# Allegro board FEE5_10_30.brd (continued)
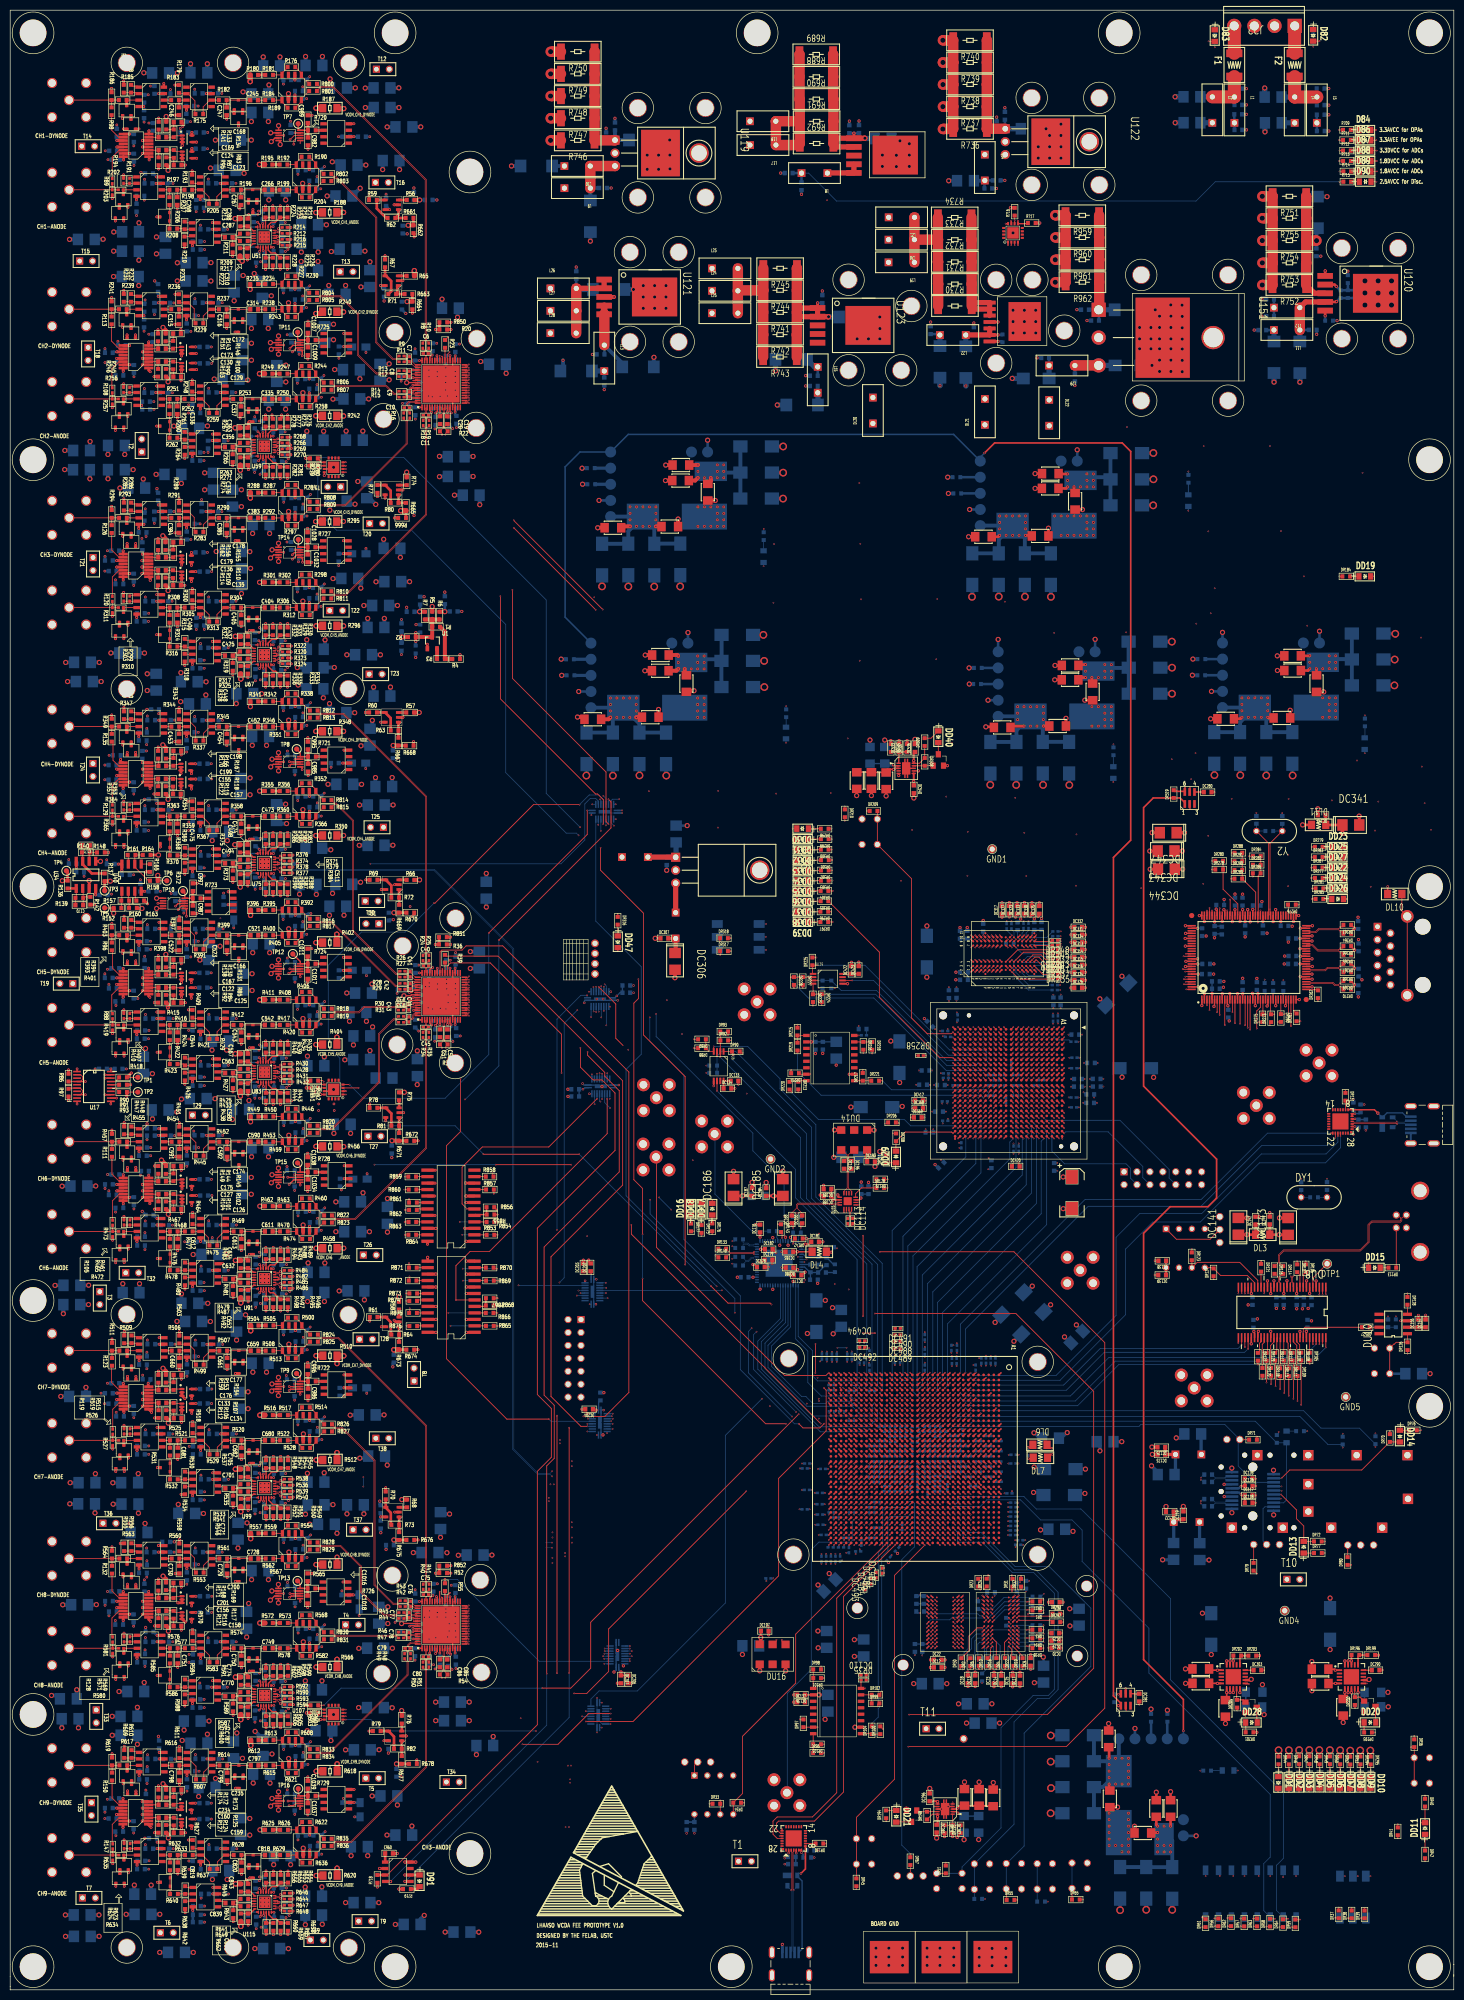
[diagram p0: board, top side]
## Copper pours and planes (outline as drawn; the poured copper is in the pictures) (continued)
VCC3V3 on BOTTOM (solid shape): 127.48,286.74 121.13,286.74 121.13,291.82 127.48,291.82
VCC3V3 on P1: 102.74,0.06 102.74,308.72 283.52,308.72 283.52,235.93 211.26,235.93 211.26,239.21 173.74,239.21 173.74,201.54 190.55,184.73 190.55,182.74 193.48,179.81 199.91,179.81 202.95,182.85 211.26,182.85 211.26,187.18 283.52,187.18 283.52,157.78 246.36,157.78 246.36,139.68 248.52,137.52 248.52,134.02 254.56,134.02 254.56,143.31 283.52,143.31 283.52,108.19 231.75,108.19 231.75,82.92 227.47,82.92 213.06,97.33 213.06,110.66 189.03,110.66 186.29,107.92 186.29,80.08 175.28,69.07 175.28,43.62 187.09,31.81 203.04,31.81 213.15,41.92 213.15,58.85 239.49,58.85 243.05,62.4 243.05,82.14 249.72,88.81 283.52,88.81 283.52,0.06
VIN5 on BOTTOM (solid shape): 136.95,258.74 130.6,258.74 130.6,262.55 136.95,262.55
VIN5 on BOTTOM (solid shape): 140.81,296.27 134.46,296.27 134.46,300.08 140.81,300.08
VIN5 on BOTTOM (solid shape): 213.42,294.49 207.07,294.49 207.07,298.3 213.42,298.3
VIN5 on BOTTOM (solid shape): 216.94,257.04 210.59,257.04 210.59,260.85 216.94,260.85
VIN5 on BOTTOM (solid shape): 228.57,26.43 224.76,26.43 224.76,32.78 228.57,32.78
VIN5 on BOTTOM (solid shape): 261.01,258.77 254.66,258.77 254.66,262.58 261.01,262.58
VIN5 on S3: 102.74,308.72 102.74,215.32 280.59,215.32 280.59,308.72
VIN5 on P2: 248.13,308.72 248.13,254.17 259.9,242.41 259.9,126.63 247.84,114.58 247.84,46.56 237.6,36.31 222.62,36.31 216.42,30.12 216.42,0.06 283.52,0.06 283.52,308.72
1.8AVCC on P2: 65.18,346.68 100.04,346.68 100.04,320.14 101.01,319.17 156.45,319.17 165.37,310.25 99.87,310.25 99.87,0.06 65.18,0.06
1.8DVCC on P1: 163.99,338.29 163.99,310.61 100.13,310.61 100.13,0.06 82.35,0.06 82.35,35.6 77.56,40.39 77.56,89.88 80.97,93.29 80.97,280.55 79.11,282.41 79.11,338.29
2.5AVCC on P2: 167.68,388.66 167.68,348.71 63.12,348.71 63.12,348.71 63.12,0.06 0.07,0.06 0.07,388.66
2.5DVCC_ADC on P2: 169.72,388.66 283.52,388.66 283.52,321.63 178.23,321.63 167.48,332.38 129.74,332.38 125.93,328.57 102.07,328.57 102.07,346.68 169.72,346.68 169.72,346.68
2.5DVCC_DIM on P2: 244.26,310.7 244.26,319.53 244.22,319.57 176.58,319.57 163.83,330.85 130.65,330.85 127.05,327.25 102.15,327.25 102.15,321.49 103.39,321.48 160.16,321.84 160.98,321.84 170.03,310.7 170.24,310.7
3.3AVCC on P1: 0.07,388.66 96.9,388.66 96.9,359.85 135.51,359.85 139.41,363.74 163.99,363.74 163.99,340.32 77.05,340.32 77.02,340.35 77.02,281.35 78.78,279.59 78.78,94.04 75.48,90.74 75.48,39.3 80.32,34.47 80.32,0.06 0.06,0.06 0.07,13.16
3.3AVEE on P3: 283.52,310.62 208.66,310.62 208.66,310.62 208.66,359.11 208.62,359.15 182.06,359.15 165.27,342.36 165.27,342.36 79.09,342.36 79.09,114.79 79.1,114.78 100.59,114.78 100.59,0.06 0.06,0.06 0.07,388.66 283.52,388.66
3.3DVCC_ADC on P3: 206.63,357.08 206.63,311.32 100.5,311.32 100.5,116.98 81.19,116.98 81.19,340.25 166.18,340.25 183,357.08
3.3DVCC_DIM on P1: 166.05,344.57 166.05,310.61 188.13,310.61 188.13,344.57
5AVCC_IN on P1: 243.01,388.66 243.01,360.94 239.37,357.29 239.33,357.29 239.3,357.26 239.3,310.66 189.79,310.66 189.78,310.67 189.78,346.28 166.03,346.28 166.02,346.29 166.02,364.81 165.62,365.21 138.19,365.21 134.84,361.86 99.39,361.86 99.39,388.66
5AVEE_IN on P1: 244.86,388.66 283.52,388.66 283.52,310.76 241.76,310.76 241.76,356.62 244.86,359.72
MGTAVCC on P3: 206.66,62.02 283.52,62.02 283.52,109.71 188.05,109.71 186.94,108.6 186.94,98.84 196.67,98.84 198.46,97.05 198.46,92.21 198.47,92.21 199.87,90.81 199.87,90.82 206.66,90.82
MGTAVTT on P1: 187.67,108.05 187.67,80.39 202.34,80.39 212.9,69.82 212.9,60.57 239.27,60.57 241.64,62.94 241.64,81.02 227.81,81.02 211.71,97.12 211.71,109.74 189.36,109.74
PHY_AVDD0 on P1: 211.62,233.45 283.52,233.45 283.52,188.67 211.62,188.67
RX_+3.3VP_0 on P1: 232.61,97.66 232.61,82.99 241.34,82.99 248.03,89.69 283.52,89.69 283.52,97.66
TX_+3.3VP_0 on P1: 232.61,107.02 232.61,98.3 283.52,98.3 283.52,107.02
VAC3V3 on P2: 153.44,250.19 153.44,192.49 167.78,192.49 167.78,147.98 159.88,140.08 159.88,150.31 154.66,155.52 154.66,160.91 145.45,160.91 145.45,152.13 102.74,152.13 102.74,250.19
VACC3V3 on P1: 249.22,139.61 249.22,135.73 249.58,135.37 253.13,135.37 253.8,136.04 253.8,144.57 283.52,144.57 283.52,156.58 247.67,156.58 247.67,141.15 249.22,139.61
VS_3.3 on P2: 102.74,151.18 102.74,136.59 155.88,136.59 158.43,139.14 158.43,150.72 153.85,155.3 153.85,159.47 153.82,159.5 146.75,159.5 146.75,151.18
VTTDDR3 on P1: 186.84,33.24 201.04,33.24 211.31,43.52 211.31,69.65 202.26,78.7 187.56,78.7 177.27,68.41 177.27,42.82
VTTDDR3_S6 on P2: 213.4,226.94 213.4,198.77 208.63,194.01 155.77,194.01 155.77,249.96 190.37,249.96
VTTREF3 on P2: 178.48,47.37 178.48,0.06 199.78,0.06 199.78,72.8 196.4,76.18 178.5,76.18 178.5,47.4
VTTREF3_S6 on P1: 201.91,183.68 208.86,183.68 208.86,238.08 176.24,238.08 176.24,200.69 191.19,185.75 191.19,182.82 193.44,180.56 198.79,180.56
N16764196 on S3: 227.99,379.01 227.99,311.88 280.42,311.88 280.42,379.01

## Text on the board
Ref Des/Silkscreen Top: VCOM_CH2_ANODE | VCOM_CH6 | VCOM_CH5_ANODE | VCOM_CH3_ANODE | VCOM_CH8_ANODE | VCOM_CH9_ANODE | VCOM_CH7_ANODE | VCOM_CH1_ANODE | VCOM_CH3_DYNODE | VCOM_CH6_DYNODE | VCOM_CH4_DYNODE | _ANODE | VCOM_CH8_DYNODE | VCOM_CH9_DYNODE | VCOM_CH7_DYNODE | VCOM_CH5_DYNODE | VCOM_CH1_DYNODE | VCOM_CH4_ANODE | VCOM_CH2_DYNODE | CH8-ANODE | CH7-ANODE | CH1-DYNODE | CH5-DYNODE | CH8-DYNODE | CH1-ANODE | CH9-ANODE | CH7-DYNODE | CH6-DYNODE | CH4-ANODE | CH2-DYNODE | CH6-ANODE | CH5-ANODE | CH9-DYNODE | CH2-ANODE | CH3-DYNODE | CH4-DYNODE | CH3-ANODE | 2015-11 | DESIGNED BY THE FELAB, USTC | LHAASO WCDA FEE PROTOTYPE V1.0 | BOARD GND | 3.3AVCC for OPAs | 3.3AVEE for OPAs | 1.8DVCC for ADCs | 3.3DVCC for ADCs | 1.8AVCC for ADCs | 2.5AVCC for Disc.
